# Altium PCB TE0723.PcbDoc (part 1 of 3) (continued)
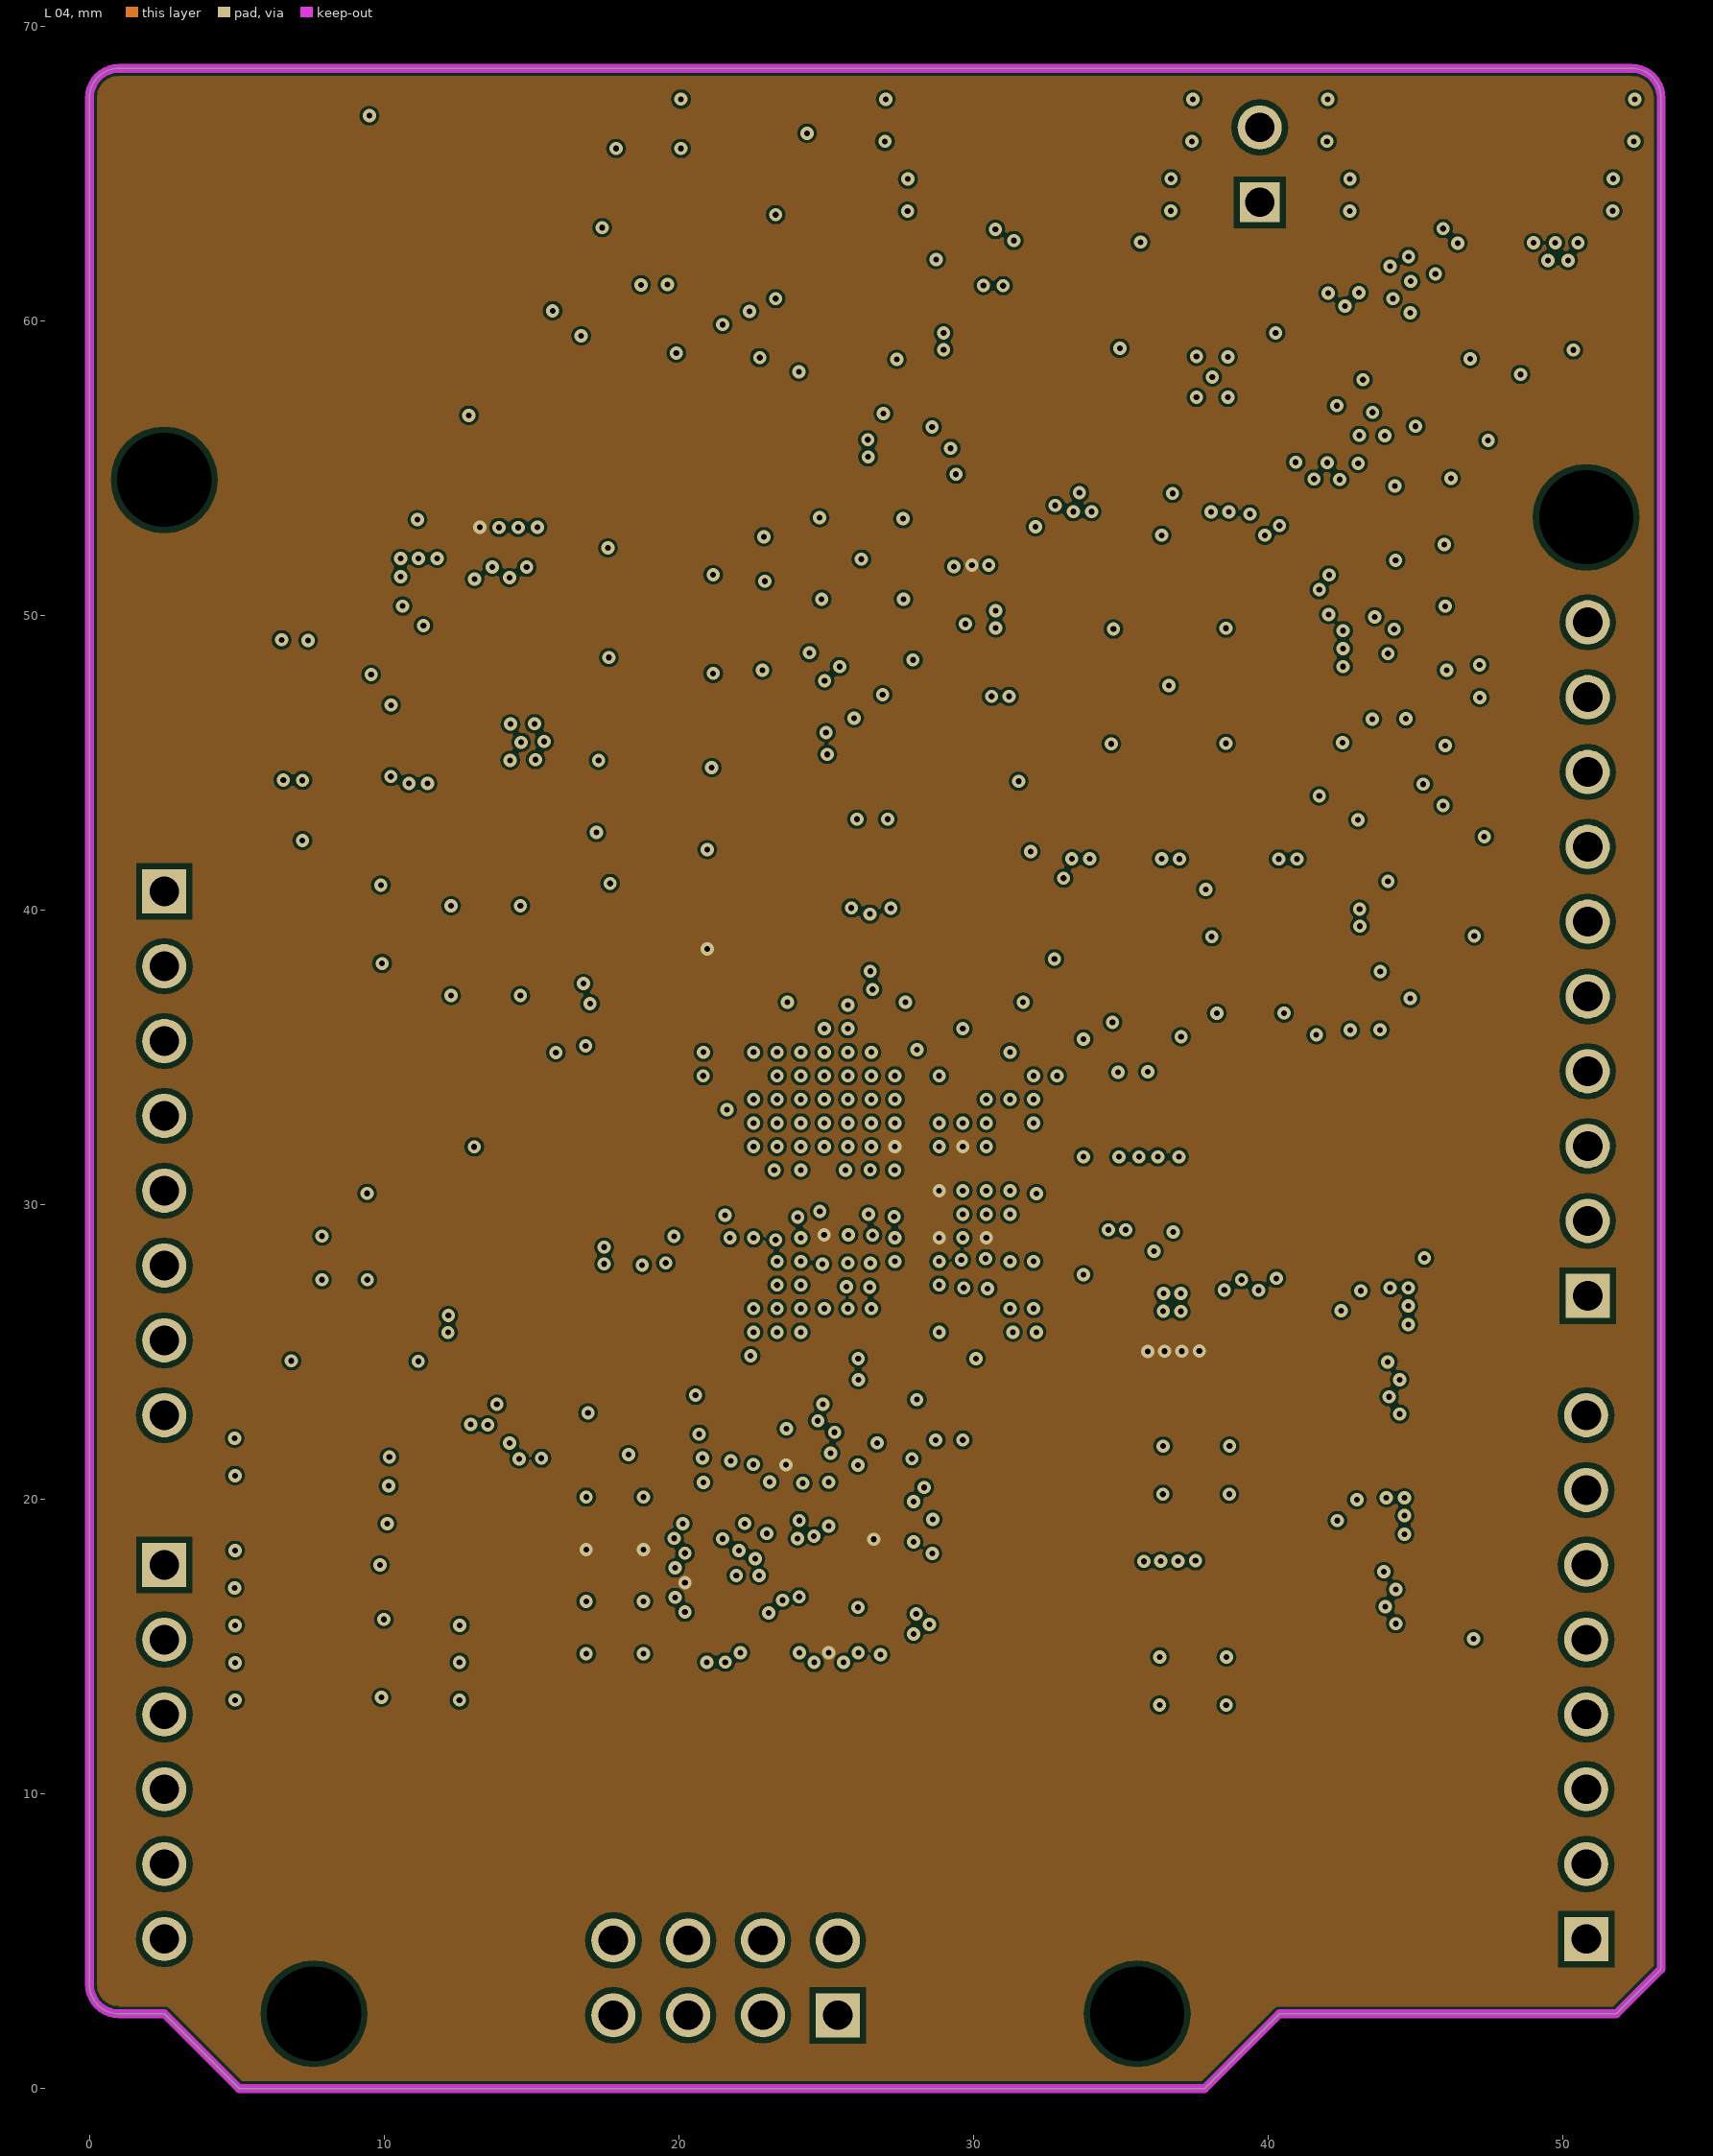
[diagram p4: L 04]
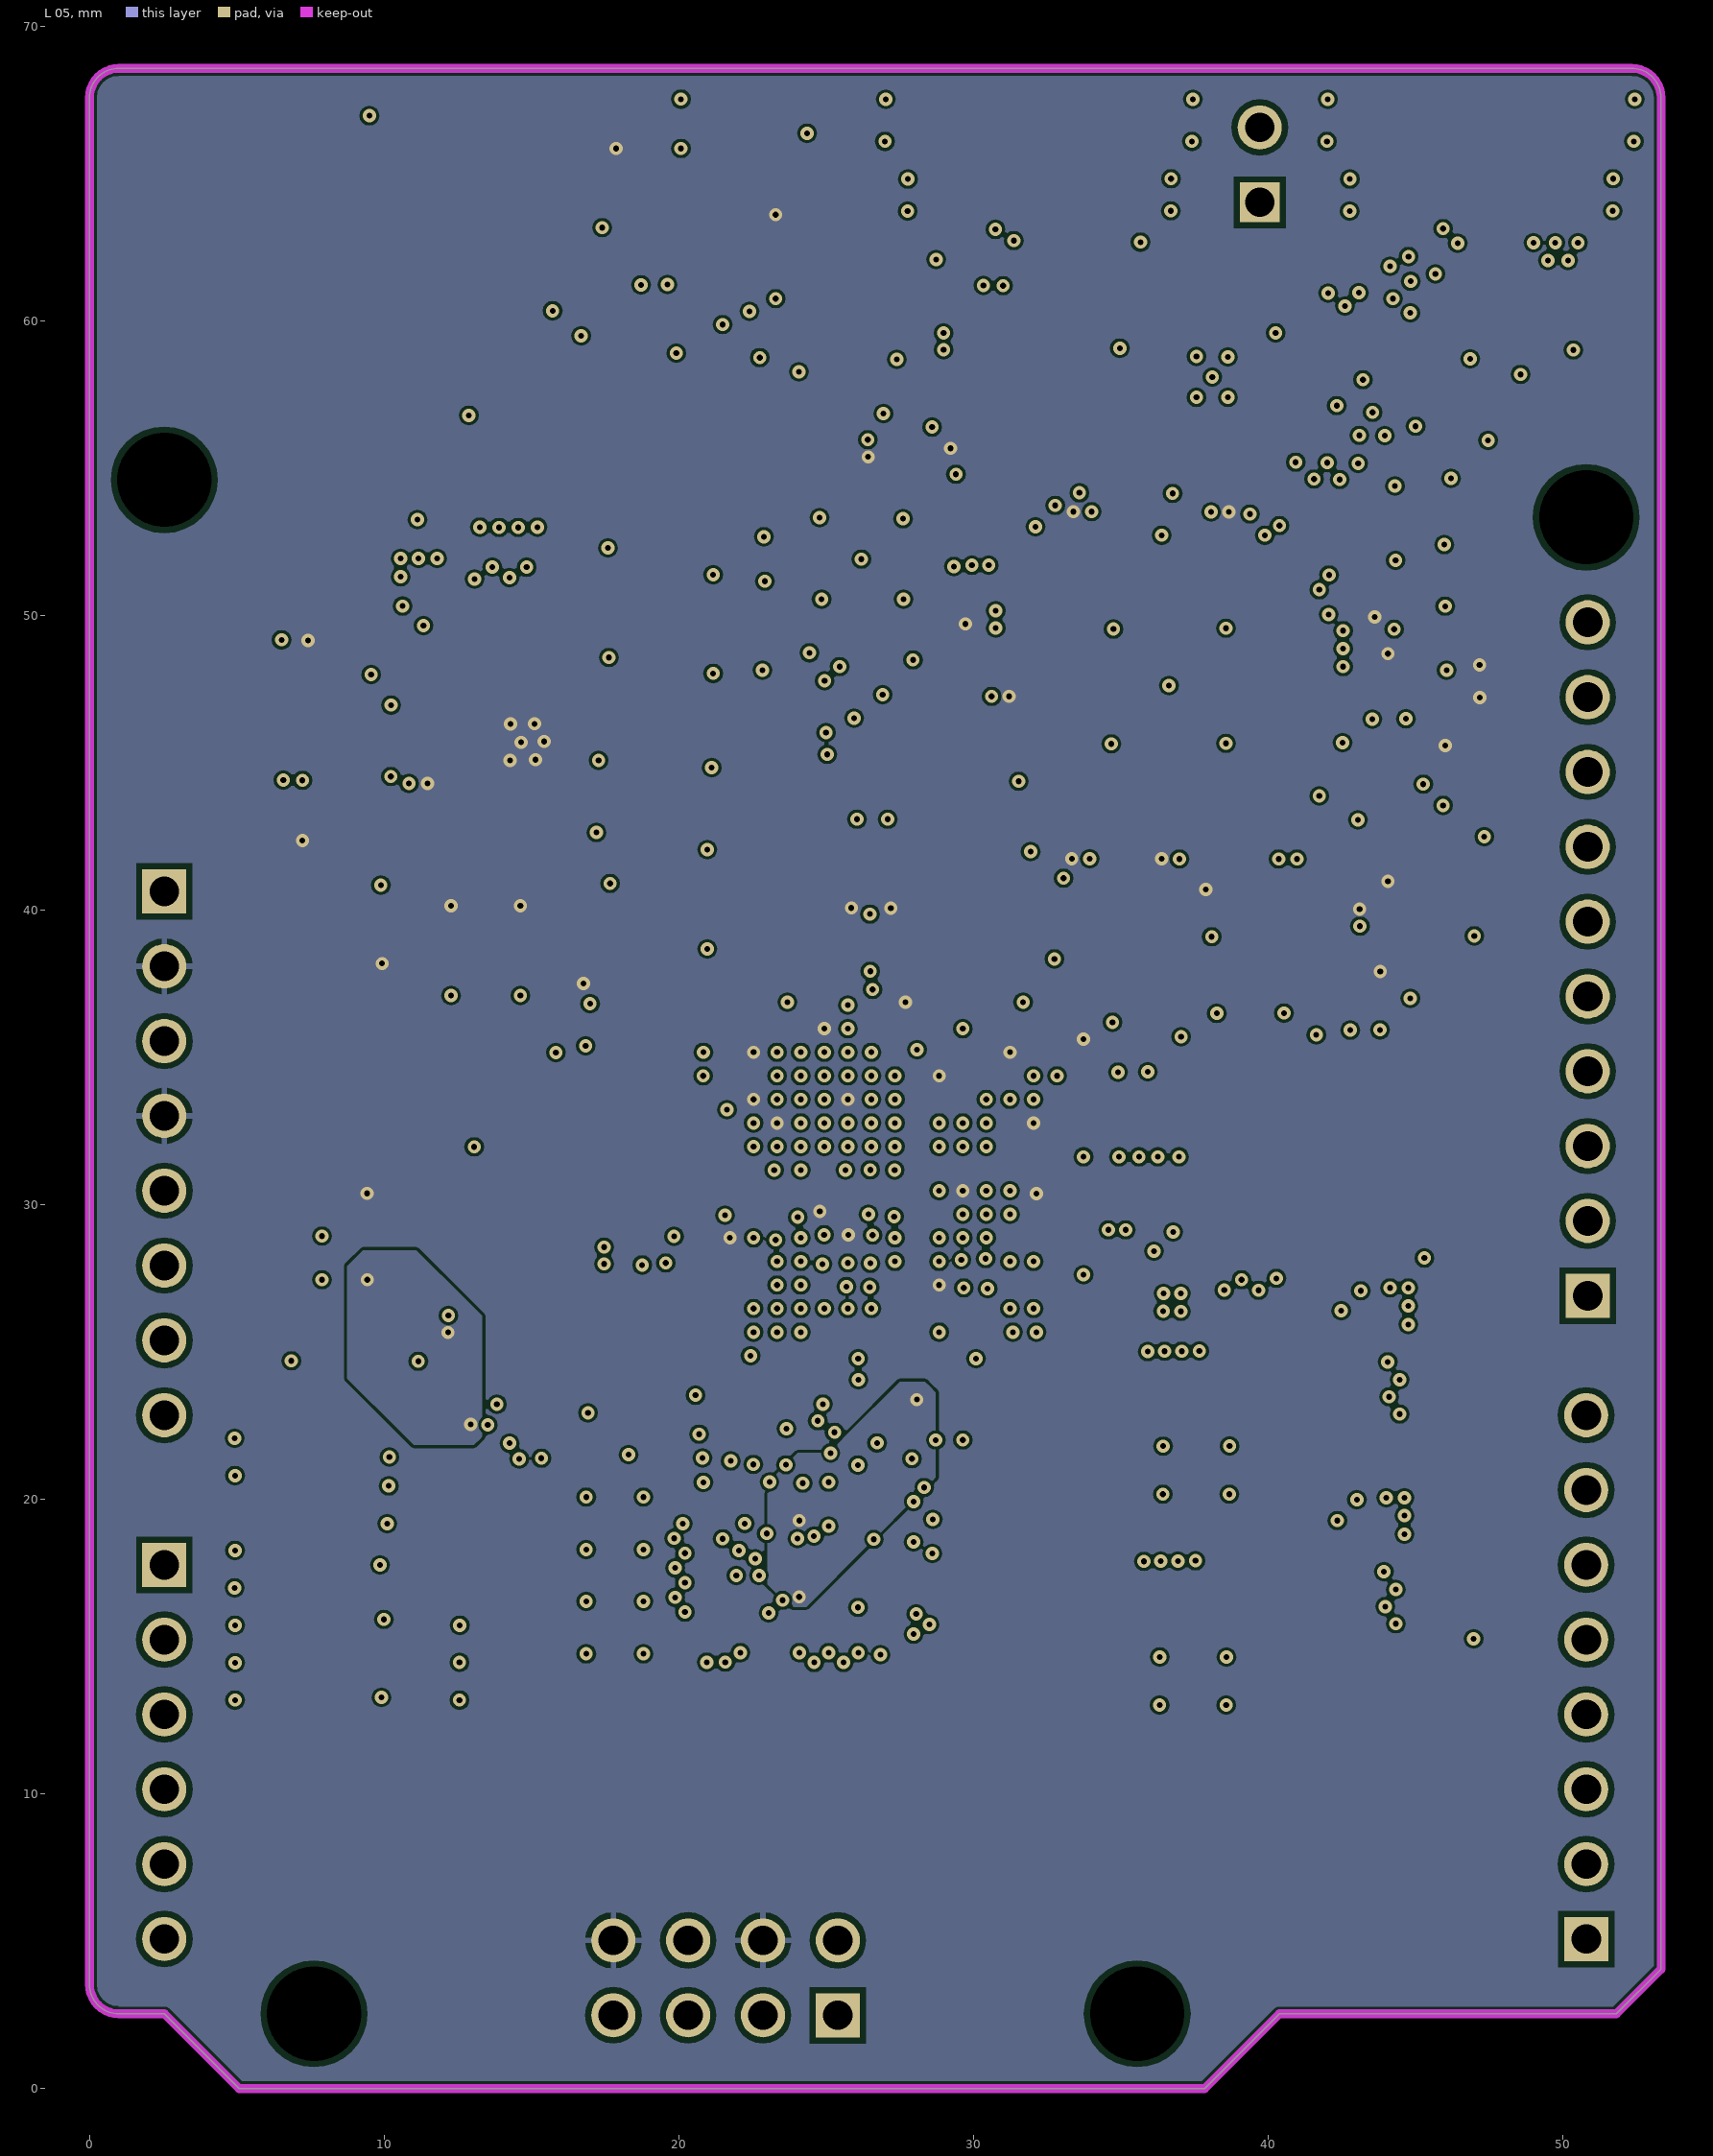
[diagram p5: L 05]
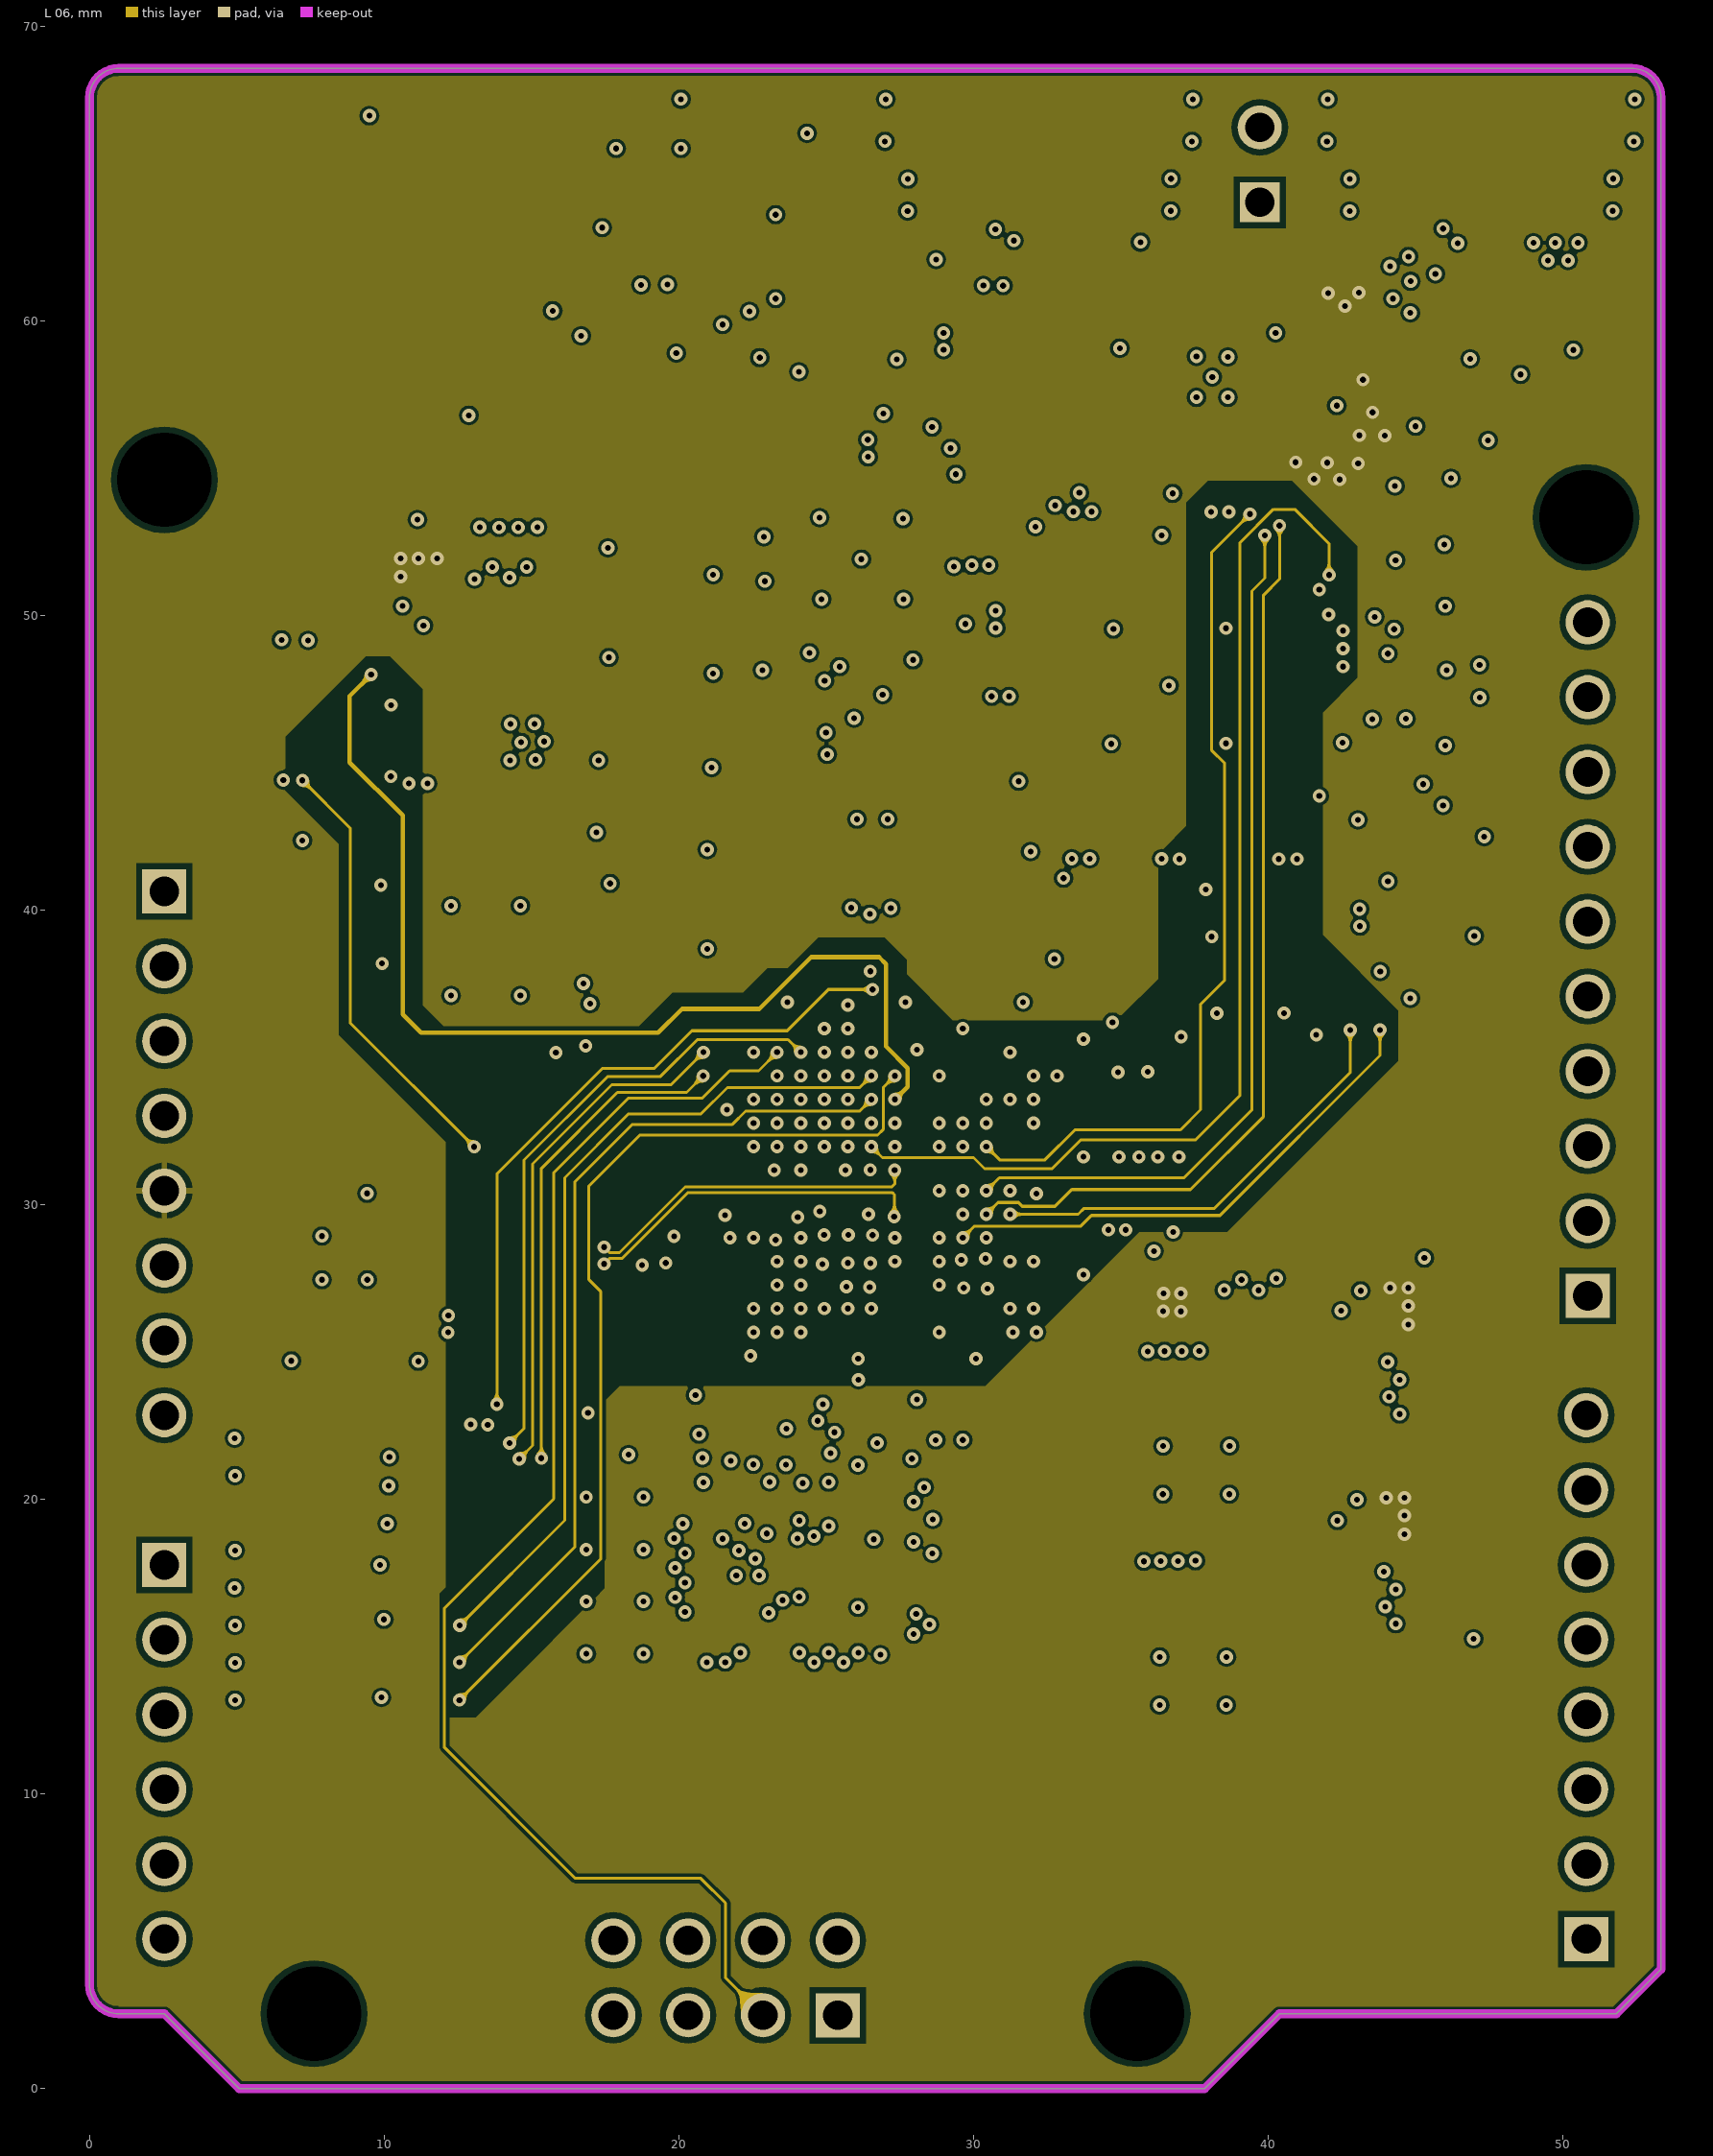
[diagram p6: L 06]
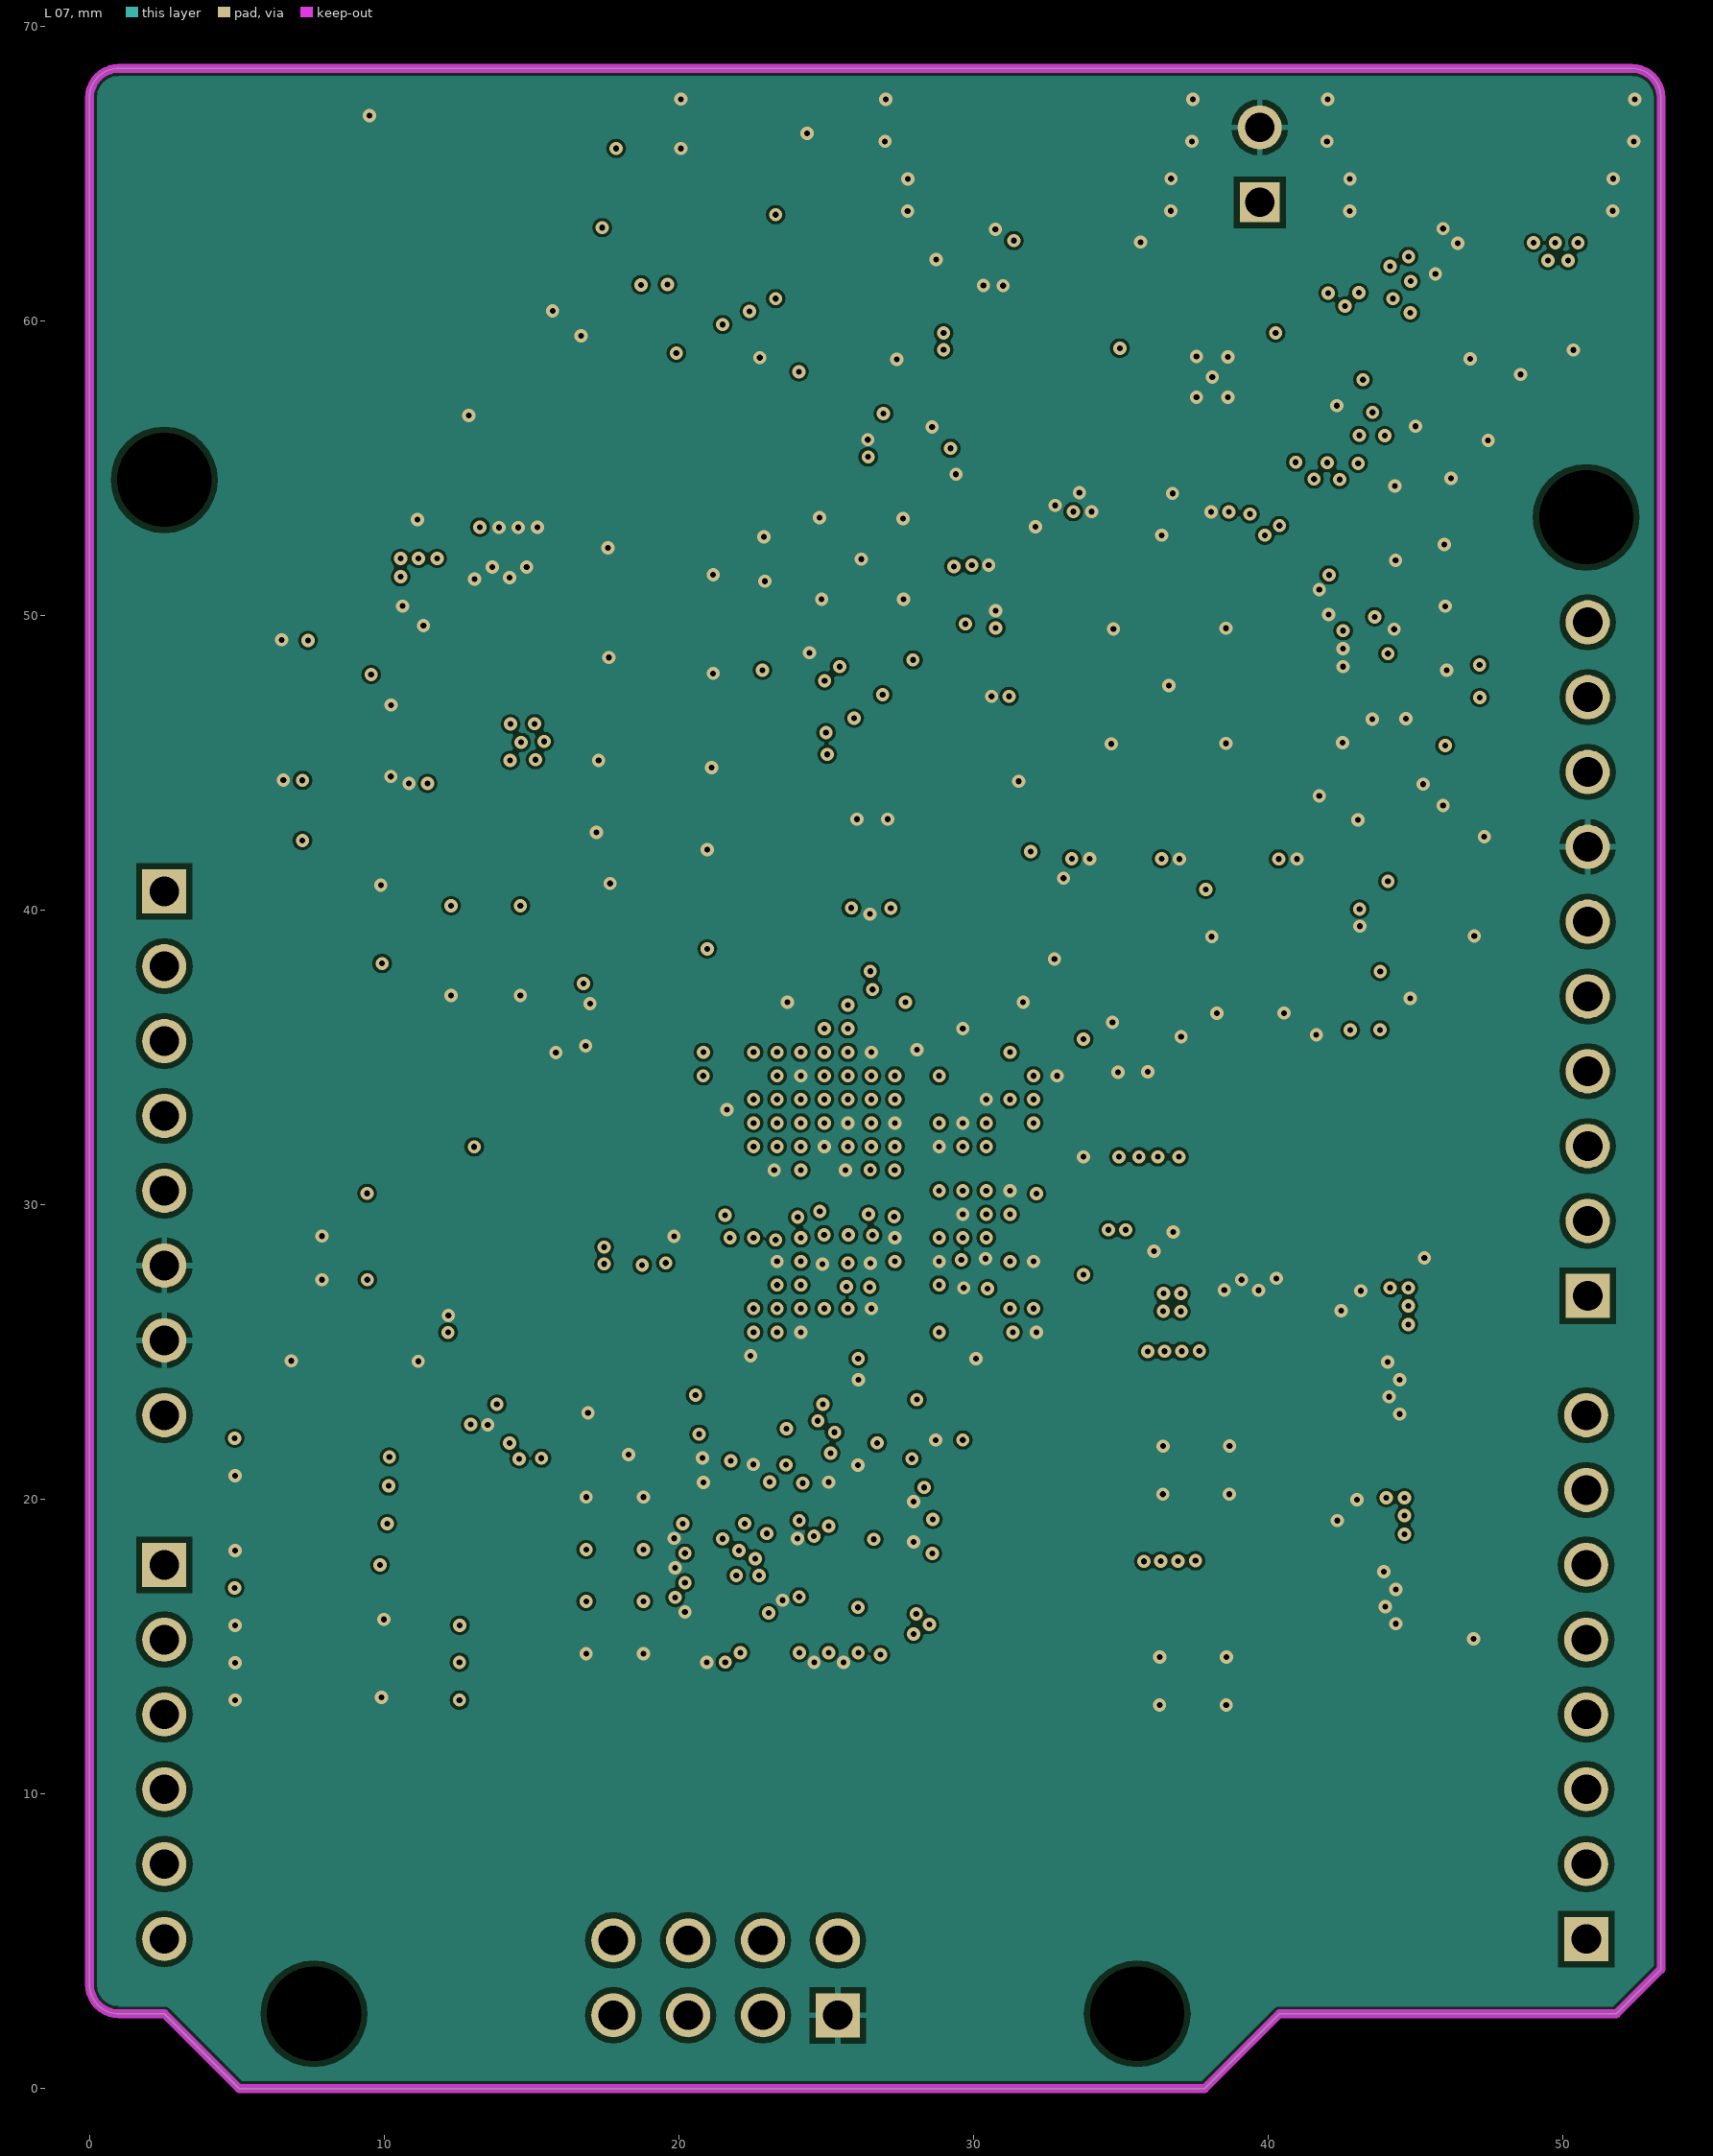
[diagram p7: L 07]

## Layer stack, top to bottom
Top Solder: solder mask 0.0102, Solder Resist, Dk 3.5
L 01: signal copper 0.012
Dielectric1: core 0.254, FR-4, Dk 4.2
L 02: signal copper 0.018
Dielectric3: prepreg 0.127, FR-4, Dk 4.2
L 03: signal copper 0.018
Dielectric2: core 0.254, FR-4, Dk 4.2
L 04: signal copper 0.036
Dielectric 8: prepreg 0.127, Dk 4.2
L 05: signal copper 0.036
Dielectric 7: core 0.254, Dk 4.2
L 06: signal copper 0.018
Dielectric5: prepreg 0.127, FR-4, Dk 4.2
L 07: signal copper 0.018
Dielectric6: core 0.254, FR-4, Dk 4.2
L 08: signal copper 0.012
Bottom Solder: solder mask 0.0102, Solder Resist, Dk 3.5

## Board outline
0,3.54 ccw(c1,3.54) 1,2.54 2.54,2.54 5.08,0 37.85,0 40.39,2.54 51.82,2.54 53.34,4.06 53.34,67.58 ccw(c52.34,67.58) 52.34,68.58 1,68.58 ccw(c1,67.58) 0,67.58

## Design rules (kind name [scope] priority, off if disabled: settings)
Clearance Clearance_topbotPoly [InPolygon vs (OnLayer('Multi-Layer') and IsPad) or OnLayer('L 01') or OnLayer('L 08')] p1: gap=0.2
Clearance Clearance_RAM [InComponent('U8')] p2: gap=0.08
Clearance [All] p3: gap=0.1
ComponentClearance "ComponentClearance_J2PM\"" [(InComponent('J2')) vs (InComponent('PM2'))] p1: gap=-4 collisioncheckmode=3 verticalgap=-1 showdistances=FALSE
ComponentClearance ComponentClearance_H3U7 [(InComponent('H3')) vs (InComponent('U7'))] p2: gap=-0.5 collisioncheckmode=3 verticalgap=-1 showdistances=FALSE
ComponentClearance ComponentClearance_-0.5mm [HasFootprint('FIDU-DOT - small') OR HasFootprint('NetTieTOP_D35mm')or HasFootprint('MHole3_2mm')] p3: gap=-0.5 collisioncheckmode=3 verticalgap=-0.013 showdistances=FALSE
ComponentClearance [All] p4: gap=-0.05 collisioncheckmode=3 verticalgap=0.5 showdistances=TRUE
DiffPairsRouting [All] p1: maxlimit=1 minlimit=0.1 mostfreqgap=1 toplayer_mingap=0.12 toplayer_maxgap=0.12 toplayer_prefgap=0.12 toplayer_minwidth=0.075 toplayer_maxwidth=0.15 toplayer_prefwidth=0.1 midlayer1_mingap=0.16 midlayer1_maxgap=0.16 midlayer1_prefgap=0.16 midlayer1_minwidth=0.1 midlayer1_maxwidth=0.1 midlayer1_prefwidth=0.1 midlayer2_mingap=1 midlayer2_minwidth=0.381 midlayer2_maxwidth=0.381 midlayer2_prefwidth=0.381 midlayer3_mingap=0 midlayer3_maxgap=0 midlayer3_prefgap=0 midlayer3_minwidth=0.381 midlayer3_maxwidth=0.381 midlayer3_prefwidth=0.381 midlayer4_mingap=1 midlayer4_minwidth=0.381 midlayer4_maxwidth=0.381 midlayer4_prefwidth=0.381 midlayer5_prefgap=0.1 midlayer5_minwidth=0.1 midlayer5_maxwidth=0.381 midlayer5_prefwidth=0.1 midlayer6_mingap=1 midlayer6_minwidth=0.381 midlayer6_maxwidth=0.381 midlayer6_prefwidth=0.381 bottomlayer_mingap=0.12 bottomlayer_maxgap=0.12 bottomlayer_prefgap=0.12 bottomlayer_minwidth=0.075 bottomlayer_maxwidth=0.3 bottomlayer_prefwidth=0.1 maxuncoupledlength=30
FabricationTestPointUsage TestPointUsage [All] p1: valid=0 allowmultiple=FALSE
FabricationTestpoint Testpoint [(IsPad And (OnTopLayer Or OnBottomLayer))] p1: side=3 testpointundercomponent=TRUE minsize=1.016 maxsize=2.54 preferedsize=1.524 minholesize=0 maxholesize=1.016 preferedholesize=0.813 testpointgrid=0.025 allowsidetop=TRUE allowsidebottom=TRUE usegrid=TRUE gridtolerance=0
FanoutControl Fanout_Small [All] p1 off: bgadir=Out bgaviamode=Centered fanoutstyle=Auto fanoutdirection=Alternating viagrid=0.025 // Protel DXP Scope 1 Expression Was: (CompPinCount < 5)   Fanout_Small (Default Rule)
FanoutControl Fanout_Default [All] p2: bgadir=Out bgaviamode=Centered fanoutstyle=Auto fanoutdirection=Alternating viagrid=0.025 // Fanout_Default (Default Rule)
FanoutControl Fanout_SOIC [All] p3 off: bgadir=Out bgaviamode=Centered fanoutstyle=Auto fanoutdirection=Alternating viagrid=0.025 // Protel DXP Scope 1 Expression Was: IsSOIC   Fanout_SOIC (Default Rule)
FanoutControl Fanout_BGA [All] p4 off: bgadir=Out bgaviamode=Centered fanoutstyle=Auto fanoutdirection=Alternating viagrid=0.025 // Protel DXP Scope 1 Expression Was: IsBGA   Fanout_BGA (Default Rule)
FanoutControl Fanout_LCC [All] p5 off: bgadir=Out bgaviamode=Centered fanoutstyle=Auto fanoutdirection=Alternating viagrid=0.025 // Protel DXP Scope 1 Expression Was: IsLCC   Fanout_LCC (Default Rule)
HoleSize [All] p1: absolutevalues=TRUE maxlimit=4 minlimit=0.2 maxpercent=80.000 minpercent=20.000
Length Lendht22mm [(InDifferentialPairClass('Lendht22mm'))] p1: maxlimit=22.2 minlimit=21.8
MatchedLengths "MatchedLengthsInDifPair< 0.5mm" [(InNetClass('D100-15') OR InNetClass('D100-25'))] p1: tolerance=0.5 checknetsindiffpair=TRUE checkdiffpairvsdiffpair=FALSE checkothers=FALSE
MatchedLengths "MatchedLengthsInDifPair< 1.5mm" [InAnyDifferentialPair] p2: tolerance=1.5 checknetsindiffpair=TRUE checkdiffpairvsdiffpair=FALSE checkothers=FALSE
MatchedLengths MatchedLengthsMCB_150Mil [InNetClass('MatchLendht150Mil') AND ((InNetClass('MCB1') OR InNetClass('MCB3')))] p3 off: tolerance=2.54 checknetsindiffpair=TRUE checkdiffpairvsdiffpair=TRUE checkothers=TRUE
MatchedLengths MatchedLengths300mil [InNetClass('MatchLendht300Mil')] p4 off: tolerance=2.54 checknetsindiffpair=FALSE checkdiffpairvsdiffpair=TRUE checkothers=TRUE
MinimumAnnularRing MinimumAnnularRing_MicroVia [(IsVia) And ViaSize <=  AsMM(0.1)] p1: minimumring=0.124
MinimumAnnularRing [All] p2: minimumring=0.12
PermittedLayers PermittedLayers-CAP3225 [(HasFootprint('CAPC3216N'))] p1: toplayerpermitted=TRUE bottomlayerpermitted=FALSE
PlaneClearance [All] p1: clearance=0.25
PlaneConnect PlaneConnect_Via [IsVia] p1: planeconnectstyle=Direct reliefexpansion=0.508 reliefentries=4 reliefconductorwidth=0.254 reliefairgap=0.254
PlaneConnect [All] p2: planeconnectstyle=Relief reliefexpansion=0.5 reliefentries=4 reliefconductorwidth=0.2 reliefairgap=0.25
PolygonConnect PolygonConnect_TopRilief [InPolygonClass('TopConnect')] p1: connectstyle=Relief reliefconductorwidth=0.254 reliefentries=4 polygonreliefangle="90 Angle" airgapwidth=0.2
PolygonConnect PolygonConnect_Direct [(HasFootprint('MHole2_7mm')) or IsVia or InComponent('H1') or InComponent('H2') or InComponent('H3') or InComponent('H4')] p2: connectstyle=Direct reliefconductorwidth=0.254 reliefentries=4 polygonreliefangle="90 Angle" airgapwidth=0.254 // Protel DXP Scope 1 Expression Was: IsVia
PolygonConnect [All] p3: connectstyle=Relief reliefconductorwidth=0.2 reliefentries=4 polygonreliefangle="90 Angle" airgapwidth=0.2